# Altium PCB board.PcbDoc (part 2 of 4) (continued)
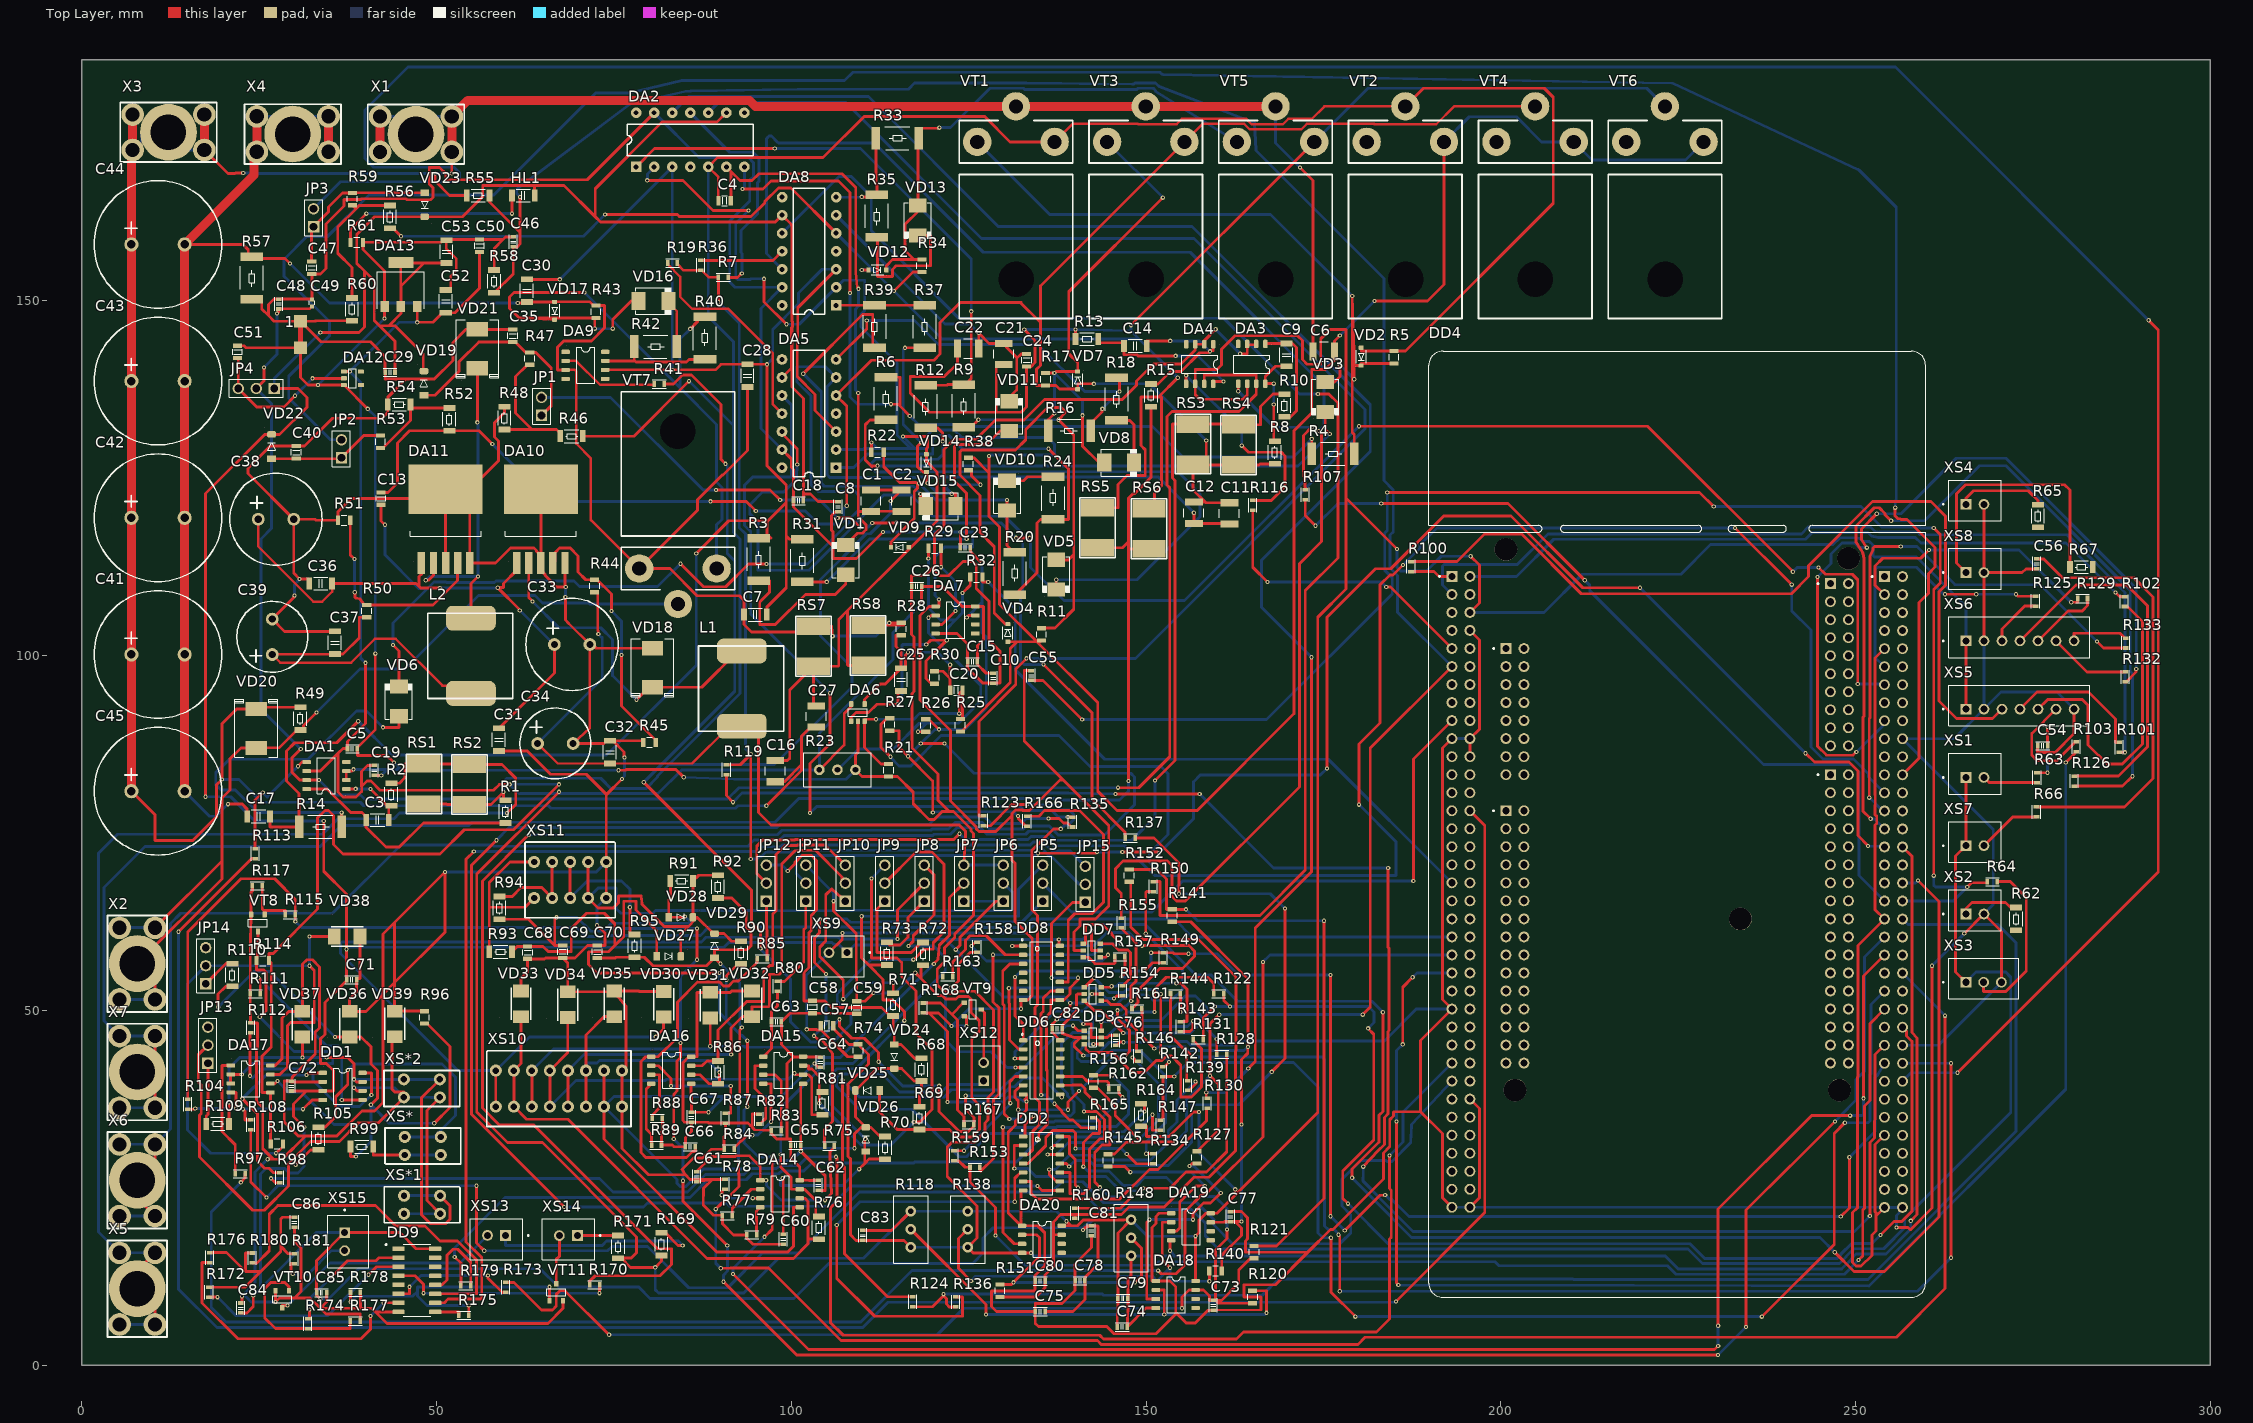
[diagram p0: Top Layer view]
## Nets (pads, with @x,y where several pads share a name; then routed paths per layer and width w, separated by ;. In a path a pad name is that pad's centre, name@x,y a point inside that pad or via, vN(x,y) a via of type N, cw(c..) or ccw(c..) an arc to the next point about the centre after c; other vN are vias at no path point) (continued)
  Bottom Layer w0.4: v1(33.31,138.125) v1(42.7,147.515) ; v1(38.338,83.973) 43.078,83.973 ; v1(40.325,134.775) 41.4,133.7 v1(41.4,100.275) ; v1(42.23,83.125) 43.078,83.973 ; v1(44.031,84.926) 44.983,83.973 ; v1(75.65,83.852) 45.104,83.852 44.983,83.973 ; v1(84.861,82.856) 91.999,82.576 107.731,82.576 R23.3@109.055,83.9 ; R118.3@116.85,16.635 R138.3@124.875,16.635 ; v1(133.789,15.845) 134.214,15.42 R148.3@147.9,15.42 154.101,15.42 ; v1(153.391,16.13) 154.101,15.42 ; v1(159.817,146) v1(163.271,142.546) ; v1(257.77,20.348) 257.77,19.18 254.265,15.675 250.064,15.675 249.408,15.019 249.408,14.947 248.031,13.57 225.011,13.57 223.161,15.42 154.101,15.42 ; 43.078,83.973 44.983,83.973
AH: DA2.10 R123.1 | length 200.5
  Top Layer w0.4: R123.1@127.1,77.425 126.462,77.425 126.462,90.731 131.648,95.917 131.648,98.096 v1(133.172,99.62)
  Bottom Layer w0.4: DA2.10@88.32,176.5 89.799,177.979 107.635,177.979 126.837,158.776 156.743,158.776 180.85,134.67 180.85,131.973 148.497,99.62 v1(133.172,99.62)
AH_MCU: DD4.CN12_52 R122.2 R131.2 | length 172
  Top Layer w0.4: R131.2@158.075,45.9 158.075,48.938 v1(159.687,50.55) ; R122.2@160.95,52.375 160.95,51.425 v1(161.825,50.55) ; v1(178.475,22.775) 177.725,23.525 177.725,27.375 182.1,31.75 182.1,46.65 v1@181.287,47.463 ; v1(253.5,18.375) 253.5,18.377 255.398,20.275 256.495,20.275 257.92,21.7 257.92,45.65 257.175,46.395 257.175,47.075 DD4.CN12_52@256.605,47.645
  Bottom Layer w0.4: v1(159.687,50.55) v1(161.825,50.55) 181.347,50.55 182.138,49.759 182.138,48.286 182.111,48.286 v1(181.301,47.476) ; v1(178.475,22.775) 184.125,17.125 226.676,17.125 228.731,15.07 247.41,15.07 247.908,15.568 247.908,15.64 249.443,17.175 252.3,17.175 v1(253.5,18.375)
AL: DA2.12 R130.1 | length 232.1
  Top Layer w0.4: v1(158.496,38.431) 158.496,37.6 R130.1@158.65,37.6 ; v1(164.4,41.825) 165.352,42.777 165.391,42.777 165.391,61.608 173.33,69.546 v1(173.33,99.772)
  Bottom Layer w0.4: DA2.12@83.24,176.5 85.525,178.785 110.877,178.785 129.184,160.478 156.466,160.478 181.6,135.344 181.6,128.768 166.282,113.45 166.282,106.82 v1(173.33,99.772) ; v1(158.496,38.431) 161.046,38.431 v1@164.401,41.787
AL_MCU: DD4.CN12_40 R124.2 R136.2 | length 212.9
  Top Layer w0.4: R124.2@117.125,8.25 119.903,8.25 v1@121.45,9.797 ; v1(121.45,10.025) v1@121.45,9.797 ; R136.2@123.2,8.225 122.281,8.225 121.866,8.641 121.866,9.381 v1@121.45,9.797
  Bottom Layer w0.4: v1(121.45,10.025) 143.857,10.025 144.021,9.86 166.374,9.86 168.676,12.162 210.152,12.162 210.245,12.07 251.721,12.07 272.618,32.968 272.618,59.539 270.027,62.129 257.361,62.129 DD4.CN12_40@256.605,62.885
BEMF_U: DD4.CN12_13 JP1.2 | length 238.4
  Top Layer w0.4: v1(89.4,123.35) 97.025,123.35 v1(98.45,121.925) ; v1(106.55,119.4) 108.389,119.4 v1(109.686,118.103) ; v1(111.425,118.675) 111.45,118.7 114.8,118.7 v1(114.825,118.725) ; v1(131.675,116.6) v1(133.625,116.6) ; v1(180,132.325) 220.675,132.325 241.15,111.85 v1(241.15,111.823) ; v1(244.773,112.423) 245.732,111.464 249.53,111.464 250.3,110.694 v1(250.3,95.987)
  Bottom Layer w0.4: JP1.2@64.825,136.395 74.555,136.395 87.6,123.35 v1(89.4,123.35) ; v1(98.45,121.925) 104.025,121.925 v1(106.55,119.4) ; v1(109.686,118.103) 110.853,118.103 v1(111.425,118.675) ; v1@114.796,118.675 129.6,118.675 v1(131.675,116.6) ; v1@133.746,116.6 133.746,112.443 138.43,107.759 155.434,107.759 v1(180,132.325) ; v1@241.15,111.85 v1(241.15,111.823) 241.15,111.796 241.777,112.423 v1(244.773,112.423) ; v1(250.3,95.987) 253.983,95.987 DD4.CN12_13@254.065,95.905
BEMF_V: DD4.CN12_24 JP2.2 | length 362
  Top Layer w0.4: v1(255.581,120.85) 255.543,120.812 255.543,120.105 255.519,120.081 255.519,119.75 255.982,119.288 256.27,119.288 256.383,119.175 257.229,119.175 261.171,115.233 261.171,112.471 260.25,111.55 260.25,108.788 258.95,107.488 258.95,85.55 DD4.CN12_24@256.605,83.205
  Bottom Layer w0.4: JP2.2@36.624,130.42 35.087,130.42 29.21,136.297 29.21,139.371 34.925,145.086 34.925,147.067 28.524,153.468 28.524,155.83 31.725,159.03 34.62,159.03 40.513,164.923 58.082,164.923 72.459,179.3 77.184,179.3 84.586,181.028 84.804,181.035 107.537,181.035 108.702,182.2 151.953,182.2 152.122,182.031 152.123,182.03 ccw(c152.405,182.314) 152.398,181.914 224.18,180.652 224.2,180.651 250.388,168.487 250.502,168.407 255.725,163.184 255.725,121.95 255.581,121.806 v1(255.581,120.85)
BEMF_W: DD4.CN12_58 JP3.2 | length 439.5
  Top Layer w0.4: v1(264.363,41.225) 292.65,69.512 292.65,145.907 v1(291.287,147.27)
  Bottom Layer w0.4: JP3.2@32.7,162.97 36.507,166.777 53.029,166.777 53.264,167.012 53.264,168.038 52.477,168.825 41.184,168.825 39.925,170.084 39.925,176.866 46.009,182.95 255.607,182.95 v1(291.287,147.27) ; DD4.CN12_58@256.605,40.025 257.805,41.225 v1(264.363,41.225)
BH: DA5.10 R135.1 | length 109.4
  Top Layer w0.4: v1(102.667,77.827) 102.667,84.786 105.461,87.58 v1(105.461,94.718) ; v1(138.976,77.25) R135.1@139.65,77.25
  Bottom Layer w0.4: DA5.10@98.705,136.655 100.005,135.355 100.005,125.16 94.576,125.16 93.421,124.006 93.421,118.358 94.3,117.479 94.3,105.878 v1(105.461,94.718) ; v1(102.667,77.827) 103.599,78.759 132.301,78.759 132.886,78.175 135.255,78.175 135.29,78.209 136.683,78.209 137.643,77.25 v1(138.976,77.25)
BH_MCU: DD4.CN12_56 R139.2 R144.2 | length 189.5
  Top Layer w0.4: R144.2@153.45,52.375 153.45,46.446 155.753,44.143 ; R139.2@155.9,40.125 155.753,40.125 155.753,44.143 ; v1(156.55,43.5) 155.907,44.143 155.753,44.143 ; v1(177.125,18.4) 177.125,18.346 177.3,18.171 v1(177.3,10.425) ; v1(263.45,15.15) v1(263.45,42.565)
  Bottom Layer w0.4: v1@156.571,43.425 174.816,43.425 175.15,43.091 175.15,19.648 175.708,19.09 176.543,19.09 v1@177.201,18.432 ; v1(177.3,10.425) 258.725,10.425 v1(263.45,15.15) ; DD4.CN12_56@256.605,42.565 v1(263.45,42.565)
BL: DA5.12 R137.1 | length 120.1
  Top Layer w0.4: DA5.12@98.705,131.575 98.705,131.28 100.855,129.13 v1(100.855,126.925) ; v1(135.56,98.77) 142.367,91.963 142.367,79.782 147.075,75.074 R137.1@147.075,74.3
  Bottom Layer w0.4: v1(100.855,126.925) 100.817,126.887 100.817,126.08 100.762,126.025 100.762,124.856 98.957,123.052 95.976,123.052 94.171,121.247 94.171,119.991 95.326,118.836 95.326,112.04 102.514,112.04 108.9,118.427 108.9,118.519 113.039,122.658 116.907,122.658 119.93,119.635 130.099,119.635 132.625,117.109 132.625,108.34 132.322,108.037 132.322,99.268 132.82,98.77 v1(135.56,98.77)
BL_MCU: DD4.CN12_47 R142.2 R147.2 | length 177.9
  Top Layer w0.4: R147.2@152.025,34.525 152.375,34.875 R142.2@152.375,40.675 152.388,40.687 153.962,40.687 v1(153.975,40.7) ; v1(176.05,17.975) 176.05,10.3 v1(179.5,6.85) ; v1(236.786,6.85) 246.975,17.039 246.975,32.675 v1(248.475,34.175)
  Bottom Layer w0.4: v1@153.95,40.7 155.9,42.65 163.325,42.65 163.35,42.675 170.775,42.675 174.25,39.2 174.25,18.65 174.925,17.975 v1(176.05,17.975) ; v1(179.5,6.85) v1(236.786,6.85) ; v1(248.475,34.175) 251.766,34.175 252,34.409 252,40.88 252.161,41.041 252.161,50.821 DD4.CN12_47@254.065,52.725
Brake_SM: R49.2 VD20.A VT7.D X2.1 | length 137.2
  Top Layer w0.35: VD20.A@24.625,87 27.85,87 30.375,89.525 R49.2@30.825,89.525
  Top Layer w0.4: X2.1@10.35,51.55 10.35,54.1 X2.1@7.85,56.6 19.775,68.525 19.775,71.075 ; X2.1@10.35,61.65 19.775,71.075 ; VD20.A@24.625,87 22.454,87 20.93,85.476 20.93,81.076 19.775,79.921 19.775,71.075 ; R49.2@30.825,89.525 31.267,89.525 31.267,90.146 v1(33.096,91.974)
  Bottom Layer w0.4: X2.1@5.35,51.55 X2.1@10.35,51.55 ; X2.1@5.35,61.65 5.372,61.672 10.328,61.672 X2.1@10.35,61.65 ; v1(33.096,91.974) 39.243,98.121 45.593,98.121 55.947,108.475 63.902,108.475 64.952,107.425 71.453,107.425 71.603,107.275 VT7.D@84.05,107.275
BreakSignal: DD6.8 R41.2 R167.2 | length 171.5
  Top Layer w0.4: v1(79.225,82.15) 94.425,66.95 94.425,62.375 95.65,61.15 95.7,61.1 v1(95.7,58.725) ; R41.2@82.125,138.275 83.44,138.275 84.693,139.528 85.957,139.528 90.1,135.385 90.1,127.675 v1(90.75,127.025) ; v1(106.824,48.751) 106.824,47.776 108.525,46.075 110.303,46.075 112.325,44.053 v1(112.325,42.775) ; v1(120.85,39.375) 120.85,35.75 123.675,32.925 124.95,32.925 125.75,33.725 R167.2@125.75,33.875 125.75,34.931 124.587,36.094 v1(124.587,37.974) ; DD6.8@137.9,38.165 137.99,38.165 138.089,38.065 138.089,37.807 v1(138.128,37.768)
  Bottom Layer w0.4: v1(79.225,82.15) 92.05,94.975 92.05,113.331 91,114.381 91,126.775 v1(90.75,127.025) ; v1@95.65,58.675 99.925,54.4 99.925,48.4 102.75,45.575 103.648,45.575 v1(106.824,48.751) ; v1(112.325,42.775) 115.725,39.375 v1(120.85,39.375) ; v1(124.587,37.974) 129.661,37.974 130.939,39.252 131.514,39.252 132.754,40.492 135.404,40.492 v1(138.128,37.768)
BreakSignal_Comp: C77.2 DA19.7 R140.2 R141.1 R161.2 | length 81.4
  Top Layer w0.4: R161.2@149.425,50.25 149.425,46.383 v1(151.155,44.652) ; R141.1@153.7,62.5 156.297,62.5 164.375,54.421 v1(164.375,44.869) 164.343,44.837 164.343,43.969 163.449,43.075 v1(163.449,33.935) ; DA19.7@159.144,20.16 160.995,20.16 161.085,20.25 C77.2@161.9,20.25 162.56,20.25 ; R140.2@160.675,13.3 160.675,15.507 163.449,18.281 163.449,19.361 162.56,20.25 ; v1(163.449,20.25) 162.56,20.25
  Bottom Layer w0.4: v1(151.155,44.652) 151.194,44.691 151.564,44.691 151.748,44.875 155.471,44.875 155.971,44.375 163.827,44.375 164.321,44.869 v1(164.375,44.869) ; v1(163.449,20.25) v1(163.449,33.935)
BreakSignal_MCU: R163.2
CAN_RX: DD4.CN11_57 R108.2 | length 216.9
  Top Layer w0.4: R108.2@23.825,33.175 23.851,33.175 23.851,25.848 v1(26.05,23.648) ; v1(55.651,25.299) 55.651,17.222 v1(56.744,16.13)
  Bottom Layer w0.4: v1(26.05,23.648) 27.701,25.299 v1(55.651,25.299) ; v1(56.744,16.13) 74.118,16.13 74.739,16.751 79.746,16.751 85.573,10.925 91.052,10.925 95.953,15.826 101.042,15.826 109.637,24.422 136.689,24.422 138.139,25.872 141.083,25.872 144.055,22.9 157.162,22.9 159.563,20.499 159.563,19.762 162.2,17.125 177.311,17.125 178.15,17.964 178.166,17.964 178.85,18.648 178.85,21.198 177.625,22.423 177.625,26.214 180.254,28.844 183.82,28.844 183.948,28.716 184.652,28.716 187.311,31.375 187.418,33.903 DD4.CN11_57@193.105,40.045
CAN_TX: DD4.CN11_55 R98.2 | length 228.5
  Top Layer w0.4: v1(26.695,26.341) 27.311,25.725 R98.2@27.95,25.725 ; v1(106.3,29.375) 106.3,29.337 106.45,29.187 106.45,23.088 105.562,22.201 105.562,5.998 107.336,4.225 143.49,4.225 144.015,3.7 162.758,3.7 163.758,4.7 182.502,4.7 184.3,6.498 184.3,17.794 184.55,18.044 184.55,24.652 184.3,24.902 v1(184.3,29.566)
  Bottom Layer w0.4: v1(26.695,26.341) 72.971,26.341 74.912,24.4 85.413,24.4 87.913,26.9 93.363,26.9 94.213,27.75 97.928,27.75 98.129,27.952 98.189,27.952 98.357,28.119 101.028,28.119 102.298,29.389 v1@106.248,29.389 ; v1(184.3,29.566) 186.216,31.482 186.216,35.696 DD4.CN11_55@193.105,42.585
CH: DA8.10 R150.1 | length 194.2
  Top Layer w0.4: R150.1@151.025,68.15 151.994,68.15 151.994,63.399 166.041,63.399 172.432,69.791 172.432,109.162 177.05,113.78 177.05,135.578 175.746,136.882 v1(174.219,136.882)
  Bottom Layer w0.4: DA8.10@98.725,159.525 106.723,167.523 108.475,167.523 111.277,164.72 111.277,159.894 123.622,147.55 160.957,147.55 171.625,136.882 v1(174.219,136.882)
CH_MCU: DD4.CN12_55 R149.2 R157.2 | length 171.3
  Top Layer w0.4: v1(146.55,54.725) 146.55,54.73 147.025,55.205 R157.2@147.025,57.55 ; v1(150.724,58.125) R149.2@152.425,58.125 153.821,58.125 153.946,58 v1(156,58) ; v1(176,21) v1(176,55) ; v1(178,19) 182.962,23.962 183.662,23.962 v1(183.7,24) ; v1(247.896,20.95) 249.116,22.17 v1(249.116,29.321)
  Bottom Layer w0.4: v1@146.507,54.687 150.724,54.687 v1(150.724,58.125) ; v1(156,58) 160.027,58 163.027,55 v1(176,55) ; v1(176,21) v1(178,19) ; v1(183.7,24) 183.717,24 184.345,23.372 184.628,23.372 187.05,20.95 v1(247.896,20.95) ; v1(249.116,29.321) 252.75,32.956 252.75,40.57 253.053,40.873 ccw(c252.771,41.156) 253.115,40.953 DD4.CN12_55@254.065,42.565
CL: DA8.12 R155.1 | length 216.1
  Top Layer w0.4: R155.1@146.5,63.025 146.507,63.025 146.507,66.473 145.694,67.286 145.694,69.978 146.761,71.045 153.035,71.045 153.67,70.41 153.67,66.041 154.305,65.406 155.524,65.406 171.628,81.51 171.628,112.955 174.75,116.077 174.75,131.219 v1(174.32,131.649)
  Bottom Layer w0.4: 96.637,172.977 96.52,172.86 96.52,156.65 DA8.12@98.725,154.445 ; 96.637,172.977 96.649,172.989 96.661,172.999 cw(c96.92,172.694) 96.662,173 96.906,173.207 97.218,173.207 98.081,172.344 98.199,172.226 111.696,172.226 127.076,156.846 156.235,156.846 175.082,137.999 175.082,132.411 v1(174.32,131.649)
CL_MCU: DD4.CN12_49 R153.2 R159.2 | length 175.7
  Top Layer w0.4: R159.2@122.95,28.825 123.596,28.825 124.521,27.9 R153.2@125.2,27.9 125.2,25.829 128.778,22.251 v1(128.778,18.289) ; v1(250.416,14.825) 251.007,15.416 251.007,21.89 251.25,22.133 251.25,36.548 252,37.298 252,48.12 DD4.CN12_49@254.065,50.185
  Bottom Layer w0.4: v1(128.778,18.289) 132.969,14.098 151.274,14.098 151.769,14.592 199.169,14.592 199.733,14.028 223.468,14.028 224.676,12.82 248.411,12.82 v1(250.416,14.825)
Current_U: DA1.5 R113.1 | length 16.9
  Top Layer w0.4: R113.1@24.475,72.8 24.46,72.8 24.46,79.646 v1(25.539,80.724) ; v1(30.505,84.421) 31.09,85.005 DA1.5@31.731,85.005
  Bottom Layer w0.4: v1(25.539,80.724) 26.174,80.089 v1(30.505,84.421)
Current_V: DA3.5 R107.1 | length 22.9
  Top Layer w0.4: v1(162.995,137.259) DA3.5@162.995,138.331 ; R107.1@172.45,123.35 172.466,123.352 172.187,126.315 172.187,131.014 v1(173.355,132.183)
  Bottom Layer w0.4: v1(162.995,137.259) 168.072,132.183 v1(173.355,132.183)
Current_W: DA4.5 R116.1 | length 30.7
  Top Layer w0.4: DA4.5@155.66,138.287 v1(155.66,139.498) ; v1(163.5,129.592) 164.44,128.652 169.062,128.652 169.57,128.144 169.57,123.805 167.64,121.875 R116.1@165.05,121.875
  Bottom Layer w0.4: v1(155.66,139.498) 163.5,131.658 v1(163.5,129.592)
DC_Current_SM: DD4.CN11_35 R32.2 | length 89.4
  Top Layer w0.4: R32.2@126.975,111.075 126.975,110.364 v1(127.762,110.364)
  Bottom Layer w0.4: v1(127.762,110.364) 131.572,106.554 131.572,98.02 144.195,85.397 175.693,85.397 DD4.CN11_35@193.105,67.985
DGND: 1.2 C8.1 C18.1 C23.1 C29.1 C31.1 C32.1 C33.2 C34.2 C35.1 C36.1 C37.1 C38.2 C39.2 C40.1 C47.1 C48.2 C49.2 C54.1 C55.1 C56.1 C58.1 C59.1 C60.1 C61.2 C62.1 C63.2 C64.1 C65.1 C66.2 C67.1 C68.1 C69.1 C70.1 C71.2 C72.1 C73.1 C75.1 C76.1 C77.1 C78.1 C80.1 C81.1 C82.1 C84.1 C85.1 C86.1 DA2.13 DA5.13 DA7.1 DA8.13 DA10.3 DA10.5 DA11.3 DA11.5 DA14.8 DA15.8 DA16.8 DA17.8 DA18.1 DA19.1 DA20.1 DD1.2 DD2.7 DD3.2 DD4.CN11_8 DD4.CN11_19 DD4.CN11_20 DD4.CN11_22 DD4.CN11_49 DD4.CN11_60 DD4.CN11_71 DD4.CN11_72 DD4.CN12_9 DD4.CN12_20 DD4.CN12_39 DD4.CN12_54 DD4.CN12_63 DD4.CN12_71 DD4.CN12_72 DD5.2 DD6.7 DD7.2 DD8.7 DD9.8 R45.2 R48.2 R51.2 R54.2 R57.1 R60.2 R77.2 R78.2 R79.2 R82.2 R83.2 R84.2 R87.2 R88.2 R89.2 R96.1 R111.2 R112.2 R117.1 R168.1 R177.1 R178.1 VD18.A VD21.A VD30.A VD31.A VD32.A VD33.A VD34.A VD35.A VD36.A VD37.A VD38.A VD39.A VT8.2 VT9.2 VT10.2 VT11.2 XS2.2 XS3.3 XS4.2 XS5.2 XS5.7 XS6.2 XS8.2 XS10.8 XS11.5 | length 1962.4
  Top Layer w0.35: 42.775,138.99 C29.1@42.775,139.95 ; 68.65,104.55 C33.2@71.625,101.575
  Top Layer w0.4: C84.1@22.45,8.775 22.6,8.775 v1(22.6,9.73) ; VT8.2@23.9,63.525 23.774,58.31 R111.2@23.775,52.375 23.775,49.48 23.825,49.43 R112.2@23.825,48.25 24.79,48.25 24.79,44.603 24.638,44.451 24.638,37.212 25.528,36.322 25.528,30.505 27.008,29.025 ; VT8.2@23.9,63.525 23.9,66.676 24.075,66.851 R117.1@24.075,67.575 ; R57.1@24,150.225 25,150.225 25.4,149.825 25.4,148.858 26.329,147.929 ; v1(26.225,29.025) 27.008,29.025 ; DA17.8@26.619,42.255 27.305,42.255 28.255,43.205 28.255,48.92 29.21,49.875 VD37.A@31.125,49.875 31.125,56.526 31.75,57.151 32.525,57.151 33.541,56.135 33.541,47.552 32.944,46.954 32.944,43.859 29.743,40.659 C72.1@29.55,40.05 C72.1@29.54,40.05 ; VT10.2@27.325,10.5 v1(27.325,8.931) 27.894,9.501 30.023,9.501 ; C86.1@30,19.45 30,17.474 30.937,16.536 30.937,10.415 30.023,9.501 ; v1(30,108.475) 29.962,108.437 29.962,108.237 C39.2@26.875,105.15 28.6,103.425 C37.1@35.7,103.425 ; C36.1@32.1,110.575 32.1,110.6 31.9,110.8 v1(30.725,110.8) 29.9,111.625 C38.2@29.9,119.225 ; DD1.2@34.006,39.935 29.54,39.935 C72.1@29.54,40.05 ; C85.1@34.525,10.2 34.525,8.911 33.655,8.041 ; R60.2@38.125,147.2 33.013,147.2 32.938,147.125 1.2@30.85,147.125 ; VD38.A@39.225,60.425 39.225,54.484 38.75,54.484 C71.2@38.75,54.325 38.75,52.604 37.775,51.629 VD36.A@37.775,49.875 40.081,49.875 42.469,52.263 ; R177.1@39.275,6.25 39.275,7.24 34.456,7.24 33.655,8.041 ; R178.1@39.3,10.275 39.3,8.041 ; 42.775,138.99 45.72,138.99 ; C29.1@42.775,139.95 42.775,142.163 40.716,144.222 33.753,144.222 1.2@30.85,147.125 ; DD9.8@44.665,7.53 41.417,7.53 ; R96.1@48.325,49.9 VD39.A@44.125,49.9 44.125,53.919 ; DA11.3@51.3,113.05 DA11.3@51.3,120.02 ; C31.1@58.8,86.55 62.814,86.55 66.077,83.288 71.12,83.288 73.93,80.478 ; R48.2@59.6,135.075 59.614,135.075 59.614,134.24 58.191,132.818 58.191,130.811 58.75,130.252 58.75,127.47 DA11.3@54.7,123.42 ; C35.1@60.775,145.95 55.879,145.95 55.829,146 VD21.A@55.775,146 54.178,146 52.326,144.148 52.326,141.608 49.708,138.99 45.72,138.99 ; VD33.A@61.925,52.725 61.925,54.535 62.85,55.46 C68.1@62.85,57.275 65.253,57.275 65.378,57.4 C69.1@67.8,57.4 ; DA10.3@64.725,123.45 DA10.3@64.725,114.075 ; VT11.2@67.85,9.075 67.85,8.027 65.716,5.894 43.053,5.894 41.417,7.53 ; DA10.5@68.125,113.05 68.125,109.829 68.225,109.729 v1(68.225,109.675) 66.947,109.675 65.35,111.272 65.35,111.4 64.725,112.025 DA10.3@64.725,113.05 DA10.3@64.725,114.075 ; v1(68.175,108.275) 68.175,105.025 68.65,104.55 ; C33.2@71.625,101.558 72.021,101.558 72.529,101.05 VD18.A@80.45,101.05 ; C33.2@71.625,101.575 71.625,89.79 C34.2@69.275,87.625 73.625,87.625 74,88 C32.1@74.45,88 C32.1@74.9,88 ; v1(72.644,62.002) 73.754,60.892 73.754,59.15 C70.1@72.675,59.15 71.286,59.15 69.536,57.4 C69.1@67.8,57.4 ; XS11.5@73.93,65.845 XS11.5@73.93,70.925 73.93,80.478 ; v1(76.15,82.625) 74.003,80.478 73.93,80.478 ; v1(76.5,85.65) 76.462,85.688 76.462,86.438 C32.1@74.9,88 ; R45.2@79.05,87.625 79.05,88 C32.1@74.9,88 ; DA2.13@80.7,176.5 71.257,167.057 51.325,167.057 51.325,167.895 50.436,168.784 48.997,168.784 48.997,166.446 49.51,165.933 49.51,164.567 49.18,164.237 45.898,164.237 45.745,164.39 39.46,164.39 39.37,164.3 36.975,164.3 36.975,163.341 34.468,160.834 34.468,154.56 33.683,153.775 C47.1@32.425,153.775 32.475,153.725 C49.2@32.475,150.2 32.425,150.25 C48.2@27.8,150.25 27.099,150.25 26.329,149.48 26.329,147.929 ; R88.2@81.85,34.825 81.85,32.968 81.725,32.843 R89.2@81.725,31.025 83.287,31.025 83.512,30.8 C66.2@85.1,30.8 85.1,32.081 85.95,32.931 C67.1@85.95,34.25 ; VD30.A@82.025,52.675 78.561,52.675 78.511,52.725 VD35.A@75.05,52.725 VD35.A@75.05,52.625 ; 85.102,26.85 85.752,26.2 88.9,26.2 ; C61.2@86.675,25.9 88.9,26.2 ; R78.2@90.675,26.2 88.9,26.2 ; R79.2@93.725,18.375 R79.2@93.725,18.365 ; VD32.A@94.475,52.725 91.615,52.725 91.44,52.55 VD31.A@88.6,52.55 86.741,52.55 86.741,43.48 DA16.8@85.894,43.48 85.794,43.38 85.474,43.38 84.734,42.64 84.734,34.484 84.969,34.25 C67.1@85.95,34.25 ; R82.2@95.475,35.4 94.513,35.4 94.513,33.534 ; DA5.13@98.705,129.035 100.005,127.735 100.005,126.573 100.325,126.253 C18.1@100.325,121.85 100.325,120.94 105.893,115.372 ; C60.1@98.875,17.05 94.615,17.05 93.725,17.94 R79.2@93.725,18.365 ; C62.1@103.825,26.05 102.519,26.05 102.489,26.08 DA14.8@101.219,26.08 101.219,27.916 99.95,29.185 C65.1@99.95,31.025 99.95,31.878 99.416,31.878 ; C8.1@106.6,120.3 106.55,120.25 106.198,120.25 105.7,119.752 105.7,117.659 105.893,117.466 105.893,115.372 ; C59.1@109.225,49.55 107.539,49.55 107.488,49.601 106.252,49.601 106.251,49.6 C58.1@103,49.6 99.825,49.6 C63.2@98.625,48.4 98.625,45.185 100.33,43.48 DA15.8@101.669,43.48 103.079,43.448 C64.1@104.075,43.425 100.33,43.425 99.416,42.511 99.416,31.878 ; v1(112.954,117.425) 109.22,113.691 105.893,113.691 105.893,115.372 ; R168.1@118.625,49.65 119.439,49.65 ; v1(120.828,107.9) 120.828,106.93 DA7.1@120.356,106.93 119.426,106.93 118.135,105.64 118.135,93.752 122.44,89.448 122.44,79.517 126.083,75.873 126.083,75.614 126.487,75.21 128.833,75.21 131.1,77.477 ; v1(122.043,37.11) 122.043,47.046 119.439,49.65 ; v1(122.606,47.804) 120.76,49.65 119.439,49.65 ; C23.1@123.85,115.225 v1(123.85,117.425) ; VT9.2@124.4,49.2 124.69,49.2 v1(124.69,47.804) ; v1(132.385,50.242) 132.385,51.49 DD8.7@132.675,51.49 133.35,51.49 133.97,52.11 133.97,60.134 131.526,62.577 131.526,70.744 131.1,71.17 131.1,77.477 ; DD2.7@132.675,24.615 132.385,24.615 DA20.1@132.385,19.655 ; DD6.7@132.7,38.165 133.172,38.165 v1(133.172,37.181) ; 132.903,37.45 v1(133.172,37.181) ; C55.1@133.8,97.9 132.842,97.9 132.842,87.961 138.328,82.475 ; DD7.2@141.15,58.45 139.852,58.45 139.852,61.037 140.716,61.901 140.716,62.866 142.875,62.866 144.75,64.741 144.75,76.053 138.328,82.475 ; v1(141.173,43.664) 139.9,44.937 139.9,45.34 140.76,46.2 ; DD3.2@141.3,46.2 140.76,46.2 ; DD5.2@141.3,52.325 140.335,52.325 140.221,52.211 140.221,49.89 138.2,47.869 C82.1@138.2,47.45 138.2,46.762 139.9,46.2 140.76,46.2 ; C81.1@142.3,18.25 142.316,18.25 142.316,16.592 140,14.276 C78.1@140,11.925 140,10.542 138.146,8.688 134.4,8.688 C75.1@134.4,7.575 C75.1@134.4,7.57 ; C76.1@145.75,45.075 145.8,45.125 145.95,45.125 146.356,45.531 146.819,45.531 v1(146.825,45.525) ; DA19.1@153.556,21.43 151.843,21.43 151.401,20.988 151.401,19.957 150.864,19.42 150.864,11.88 DA18.1@151.406,11.88 153.373,11.88 154.203,11.05 154.203,7.441 154.304,7.341 ; C77.1@161.9,21.65 163.449,21.65 164.313,20.786 164.313,17.832 164.008,17.527 164.008,15.927 172.8,15.927 ; DD4.CN11_71@193.105,22.265 191.77,23.6 191.77,32.64 188.685,35.725 ; DD4.CN11_19@193.105,88.305 191.77,86.97 191.77,51.54 DD4.CN11_49@193.105,50.205 188.685,45.785 188.685,35.725 ; DD4.CN11_72@195.645,22.265 196.977,23.597 196.977,36.173 DD4.CN11_60@195.645,37.505 ; DD4.CN11_22@195.645,85.765 DD4.CN11_20@195.645,88.305 196.977,89.637 196.977,102.213 DD4.CN11_8@195.645,103.545 ; DD4.CN12_71@254.065,22.245 252.85,21.03 ; DD4.CN12_63@254.065,32.405 252.75,31.09 252.75,21.63 252.85,21.53 252.85,21.03 ; DD4.CN12_9@254.065,100.985 252.75,99.67 252.75,80.351 252.761,80.341 252.761,78.966 252.75,78.955 252.75,77.581 252.969,77.362 252.969,76.349 252.75,76.13 252.75,64.2 DD4.CN12_39@254.065,62.885 250.35,59.17 250.35,40.73 250.262,40.641 250.262,22.201 249.566,21.505 249.566,14.473 250.064,13.975 250.768,13.975 252.286,15.493 252.286,18.363 252.85,18.927 252.85,21.03 ; v1(255.75,19.425) 257.398,19.425 257.724,19.1 260.775,22.151 v1(260.775,56.291) ; v1(265.3,60.85) 265.317,60.85 268.063,63.596 XS2.2@268.08,63.596 270.54,61.137 XS3.3@270.54,53.975 ; XS6.2@268.08,102.082 268.072,102.082 268.072,111.695 XS8.2@268.08,111.704 ; XS4.2@268.08,121.325 XS8.2@268.08,111.704 ; C56.1@275.525,112.225 273.983,112.225 273.462,111.704 XS8.2@268.08,111.704 ; C54.1@275.65,87.325 275.65,86.361 278.13,86.361 280.78,89.011 XS5.7@280.78,92.461 ; 26.329,147.929 27.133,147.125 1.2@30.85,147.125 ; 27.008,29.025 28.287,29.025 31.572,32.31 ; C72.1@29.54,40.05 28.575,40.05 28.575,34.266 30.531,32.31 31.572,32.31 ; C38.2@29.9,119.225 32.918,119.225 33.068,119.075 R51.2@36.125,119.075 36.125,120.27 38.005,122.15 47.244,122.15 47.244,123.45 DA11.3@51.3,123.45 DA11.3@51.3,120.02 ; C38.2@29.9,119.225 23.444,125.681 23.444,126.366 26.603,129.525 C40.1@30.25,129.525 31.429,129.525 35.357,133.453 42.363,133.453 43.15,134.24 R54.2@43.15,135.4 43.15,136.42 45.72,138.99 ; 30.023,9.501 32.195,9.501 33.655,8.041 ; 31.572,32.31 35.967,32.31 39.511,35.854 41.275,35.854 42.469,37.048 42.469,52.263 ; 33.655,8.041 39.3,8.041 ; 39.3,8.041 40.906,8.041 41.417,7.53 ; 42.469,52.263 42.469,60.758 44.125,62.414 ; 42.469,52.263 44.125,53.919 ; 44.125,53.919 44.125,62.414 ; 44.125,53.919 51.232,61.026 v1(51.232,69.521) 44.125,62.414 ; DA11.3@51.3,120.02 DA11.3@54.7,123.42 ; DA11.3@54.7,123.42 DA11.5@54.7,113.05 58.351,113.05 60.451,115.15 63.778,115.15 64.1,114.828 64.1,114.7 DA10.3@64.725,114.075 ; C69.1@67.8,57.4 68.525,56.675 VD34.A@68.525,52.625 VD35.A@75.05,52.625 ; VD35.A@75.05,52.625 76.708,50.598 76.708,42.078 XS10.8@76.16,41.53 XS10.8@76.16,36.45 76.16,30.572 79.882,26.85 85.102,26.85 84.635,27.594 86.252,29.211 87.525,29.211 88.708,30.394 90.55,30.444 R84.2@90.55,30.475 90.55,32.208 90.725,32.383 R87.2@90.725,34.125 ; C67.1@85.95,34.25 88.265,34.25 88.39,34.125 R87.2@90.725,34.125 ; 88.9,26.2 87.638,24.938 87.6,22.573 89.042,21.131 90.219,21.131 R77.2@90.3,21.05 90.3,19.94 91.875,18.365 R79.2@93.725,18.365 ; R87.2@90.725,34.125 93.922,34.125 94.513,33.534 ; 94.513,33.534 94.847,33.2 97.15,33.072 R83.2@97.2,33.05 97.2,32.64 97.962,31.878 99.416,31.878 ; 131.1,77.477 131.1,77.752 131.598,78.25 132.556,78.25 132.631,78.175 133.59,78.175 137.89,82.475 138.328,82.475 ; DA20.1@132.385,19.655 130.581,21.458 130.581,32.843 131.597,33.859 131.597,34.395 133.172,35.97 v1(133.172,37.181) ; DA20.1@132.385,19.655 DA20.1@132.531,19.655 134.753,19.655 135.738,18.67 135.738,13.996 134.375,12.634 C80.1@134.375,11.875 134.375,10.593 134.257,10.475 128.219,10.475 128.219,8.307 128.956,7.57 C75.1@134.4,7.57 ; C75.1@134.4,7.57 134.4,5.911 134.861,5.45 144.472,5.45 145.472,4.45 151.413,4.45 154.304,7.341 ; 154.304,7.341 155.675,5.97 156.945,5.97 158.725,7.75 C73.1@159.5,7.75 166.225,7.824 166.225,9.628 163.825,9.628 163.825,11.355 168.228,11.355 172.8,15.927 ; 172.8,15.927 176.023,19.15 176.352,19.15 183.45,26.248 183.45,29.918 184.35,30.818 184.35,34.604 184.875,35.129 184.875,35.676 184.924,35.725 188.685,35.725
  Bottom Layer w0.4: v1(22.6,9.73) 22.86,9.99 ; v1(26.225,29.025) 24.45,27.25 24.45,11.58 22.86,9.99 ; v1(27.325,8.931) 23.888,8.931 23.35,9.469 23.35,9.5 22.86,9.99 ; v1(30,108.475) 30,110.025 v1@30.75,110.775 ; v1(51.232,69.521) 72.526,69.521 XS11.5@73.93,70.925 ; v1(68.175,108.275) 68.2,108.3 68.2,109.65 v1(68.225,109.675) ; v1(72.644,62.002) 72.644,64.559 XS11.5@73.93,65.845 ; v1(76.15,82.625) 76.15,82.679 76.5,83.029 v1(76.5,85.65) ; DA2.13@80.7,176.5 87.02,170.18 93.98,170.18 94.7,169.46 94.7,167.539 94.158,166.997 94.158,164.085 91.338,161.265 91.338,152.642 92.075,151.905 DA8.13@98.725,151.905 95.746,148.926 95.746,131.994 DA5.13@98.705,129.035 ; v1(112.954,117.425) v1(123.85,117.425) 125.578,117.425 125.578,115.317 121.641,115.317 120.244,113.92 120.244,108.484 v1(120.828,107.9) ; v1(122.043,37.11) 129.858,37.11 130.536,37.788 131.724,37.788 cw(c131.724,37.388) 131.944,37.722 132.004,37.683 ccw(c132.224,38.017) 132.016,37.675 132.642,37.298 132.75,37.298 132.77,37.298 132.692,37.22 133.168,37.186 v1(133.172,37.181) ; v1(124.69,47.804) v1(122.606,47.804) 125.044,50.242 v1(132.385,50.242) ; v1(141.173,43.664) 142.961,43.664 144.815,45.518 146.818,45.518 v1(146.825,45.525) 149.771,45.525 149.871,45.625 155.782,45.625 156.282,45.125 162.193,45.125 162.787,45.719 183.605,45.719 188.091,50.205 DD4.CN11_49@193.105,50.205 ; DD4.CN11_71@193.105,22.265 DD4.CN11_72@195.645,22.265 254.045,22.265 DD4.CN12_71@254.065,22.245 DD4.CN12_72@256.605,22.245 256.605,21.948 255.75,21.093 v1(255.75,19.425) ; DD4.CN11_19@193.105,88.305 DD4.CN11_20@195.645,88.305 ; DD4.CN12_54@256.605,45.105 261.67,45.105 XS3.3@270.54,53.975 ; v1(260.775,56.291) 265.3,60.816 v1(265.3,60.85) ; XS2.2@268.08,63.596 269.392,64.909 269.392,75.498 DD4.CN12_20@256.605,88.285 263.904,88.285 XS5.2@268.08,92.461 XS5.2@268.097,92.478 ; XS6.2@268.08,102.082 268.08,99.688 268.097,99.671 XS5.2@268.097,92.478 ; XS5.7@280.78,92.461 278.371,94.87 270.489,94.87 XS5.2@268.097,92.478
ENC_A: DD4.CN11_17 JP5.2 | length 80.6
  Top Layer w0.4: v1(187.674,68.25) 187.674,85.414 DD4.CN11_17@193.105,90.845
  Bottom Layer w0.4: JP5.2@135.45,67.935 139.503,63.882 150.802,63.882 155.17,68.25 v1(187.674,68.25)